# Altium PCB Steering_THD.PcbDoc
Units mm, origin at the board's own origin, x right, y up, seen from the top; angles counter-clockwise.
Board outline 106.54 x 71.85 mm, 2 copper layers (Top Layer, Bottom Layer); 35 components, 38 nets, 152 pads, 16 vias.
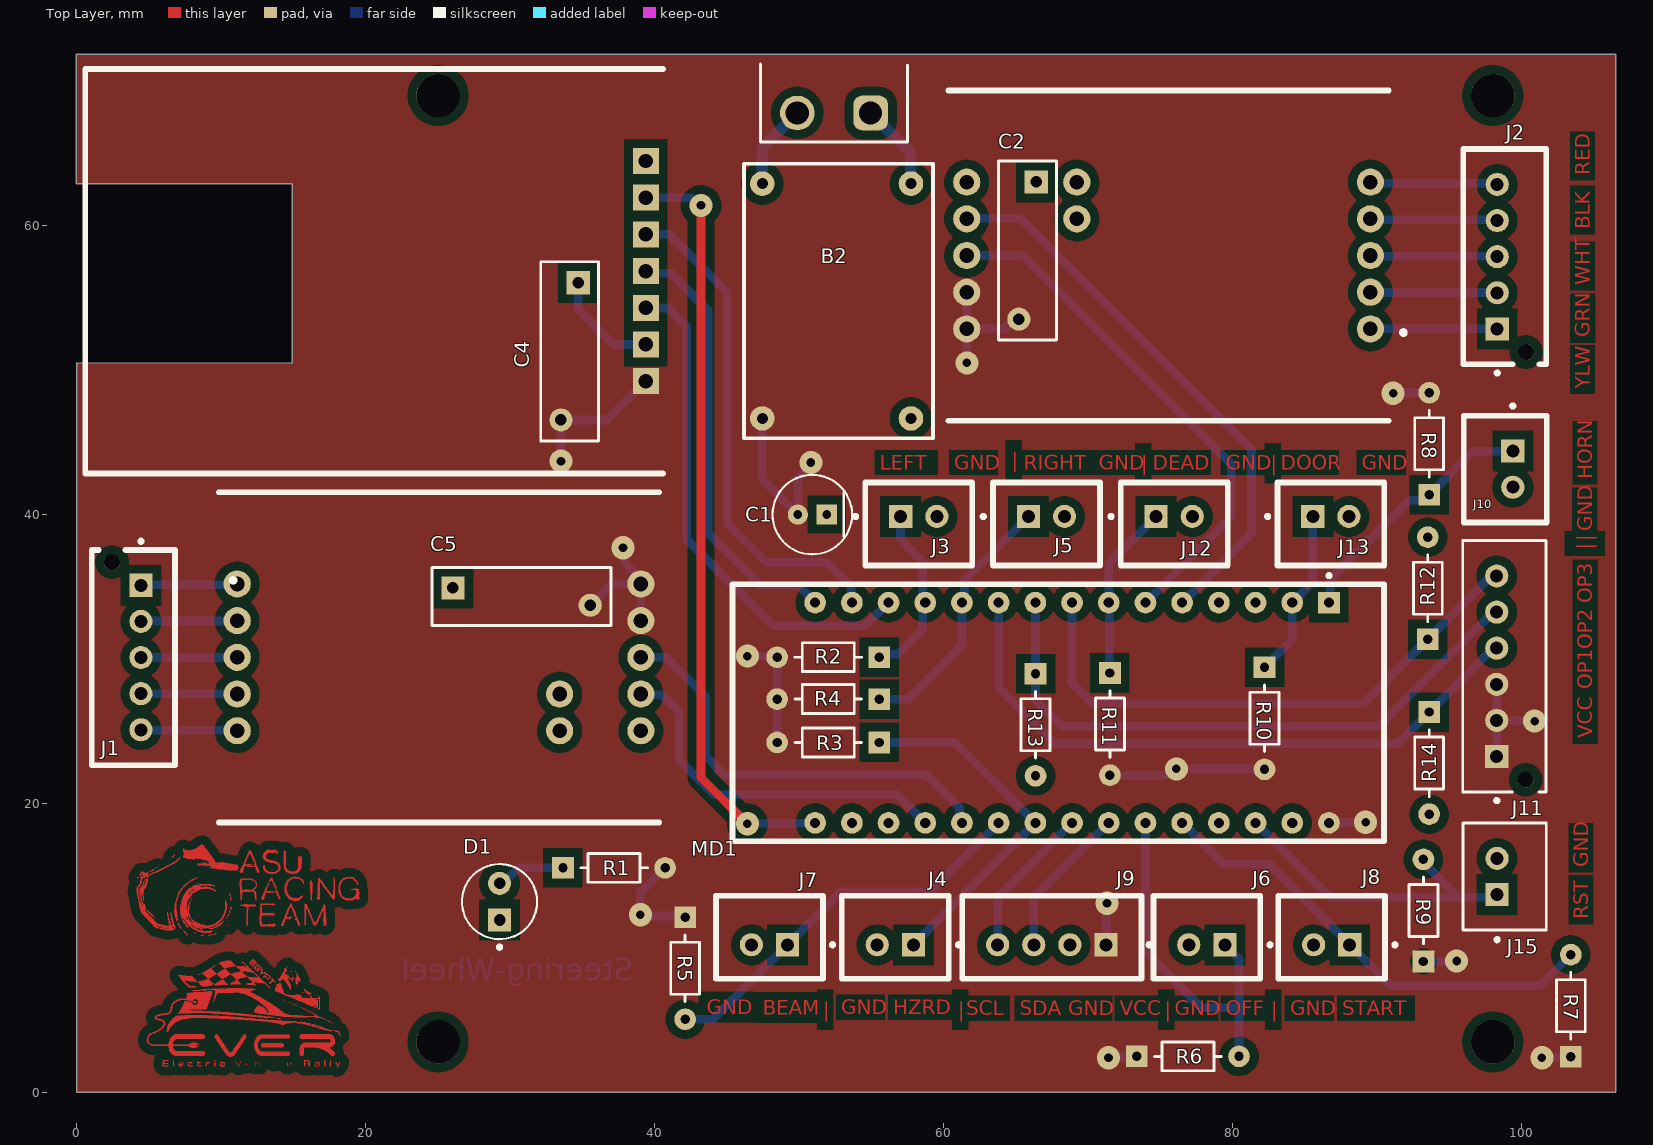
[diagram p0: Top Layer view]
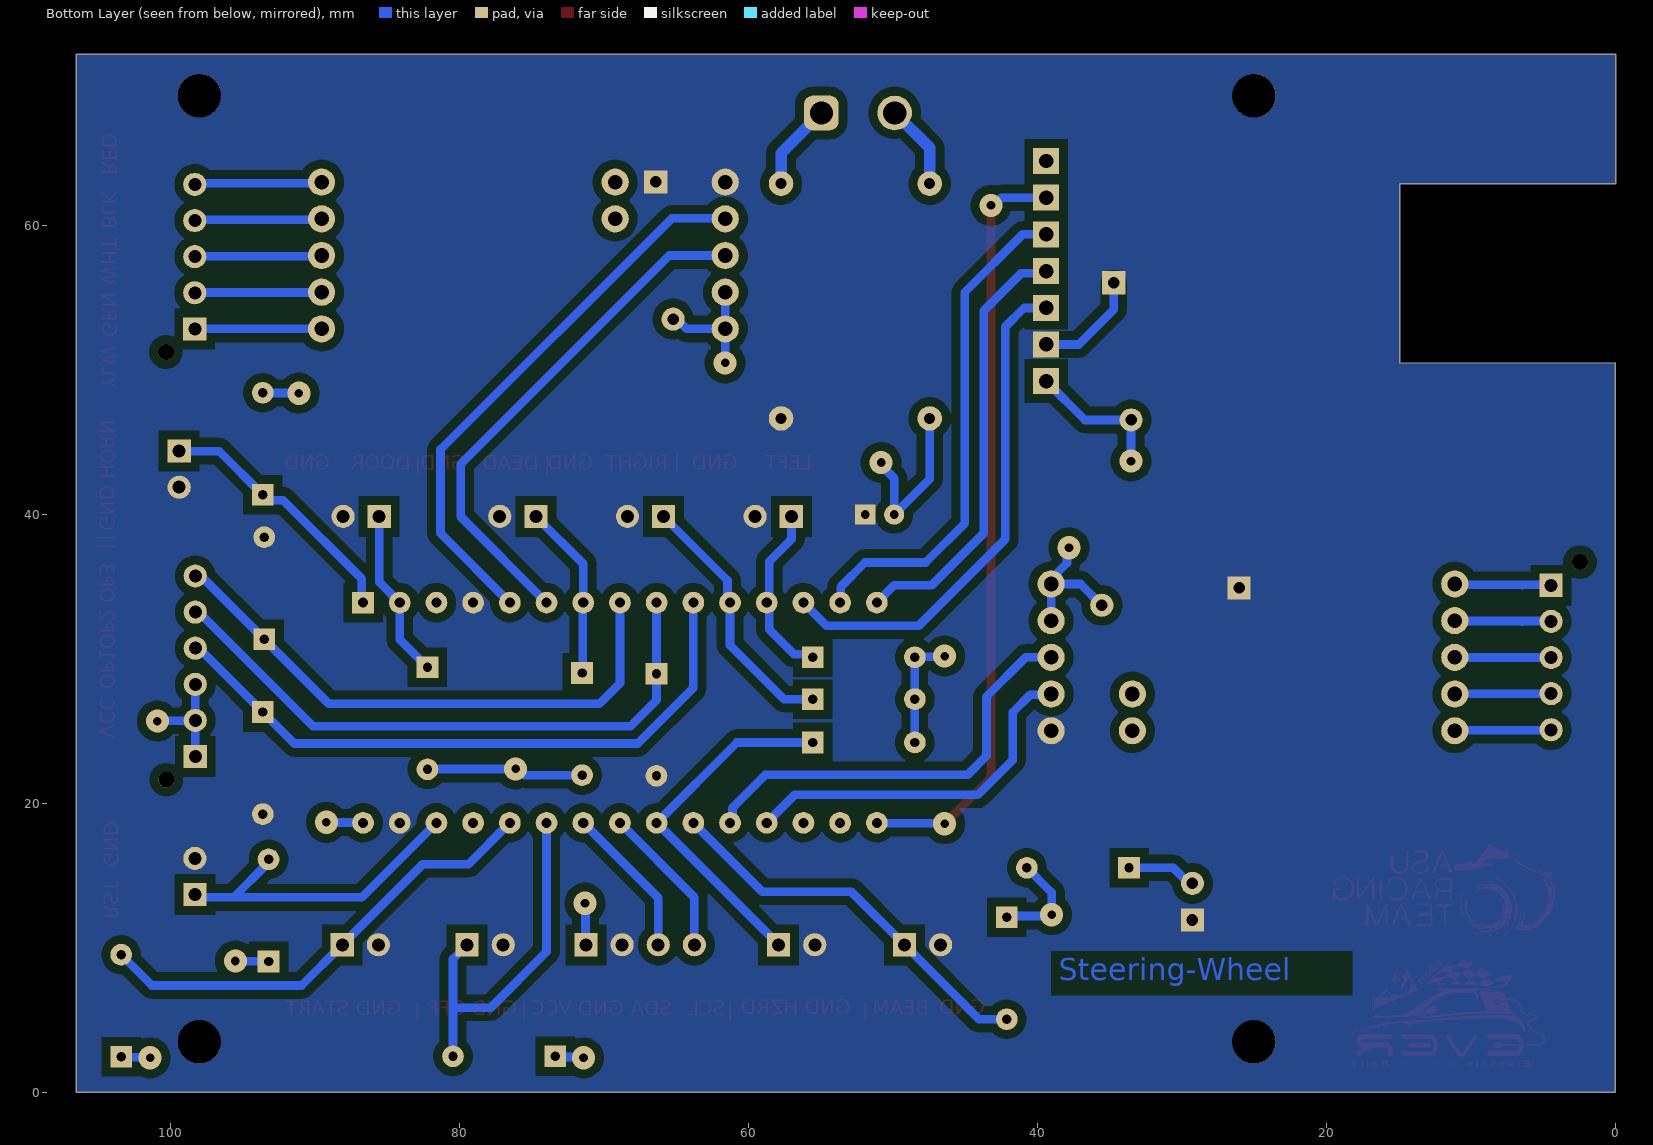
[diagram p1: Bottom Layer view, seen from below]
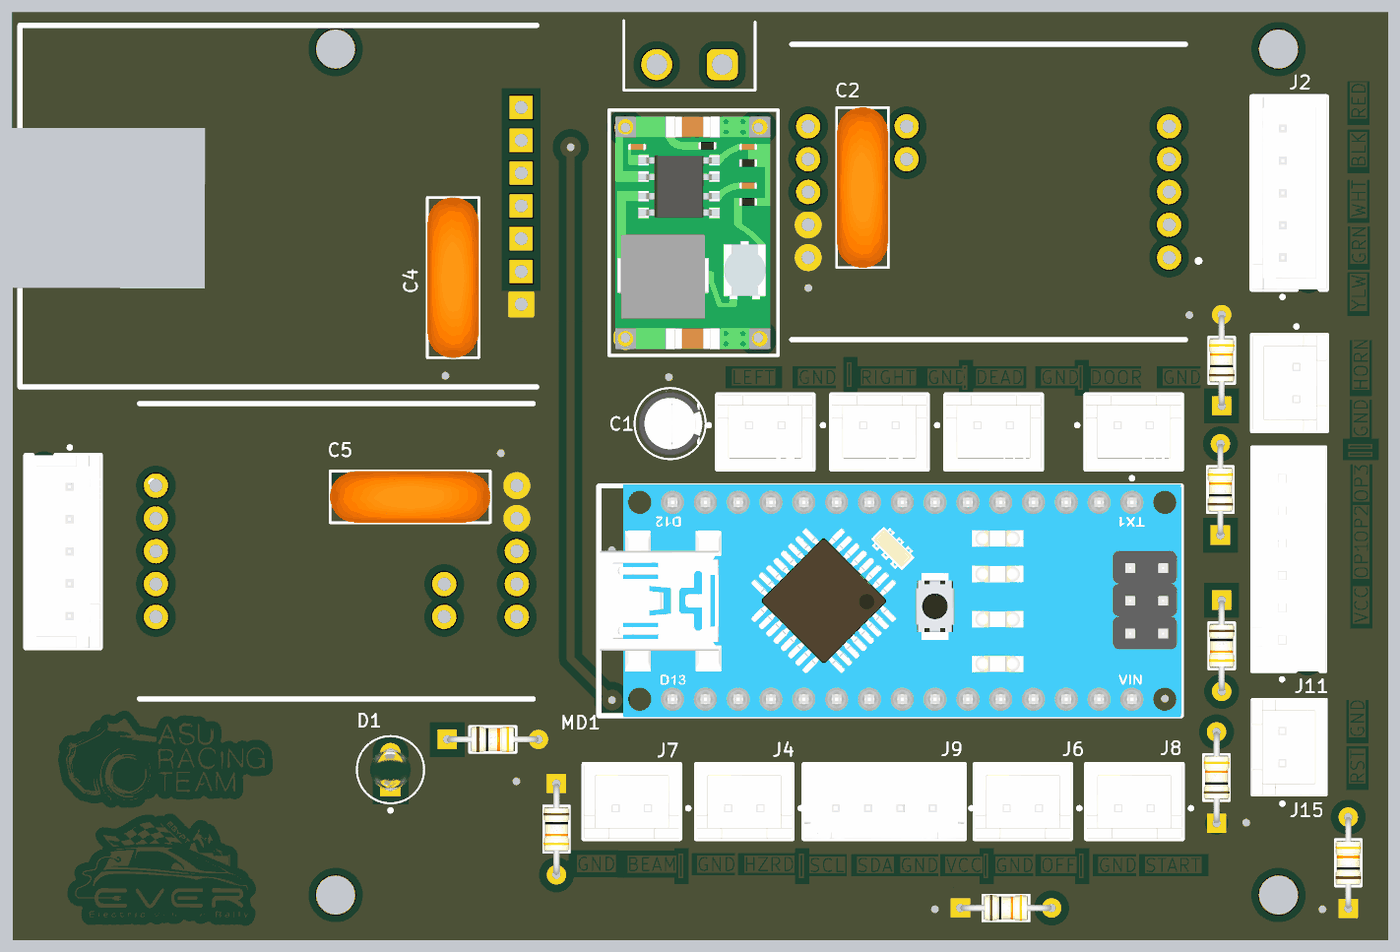
[diagram p2: 3D render of the assembled board from above, using the file's embedded part models]

## Layer stack, top to bottom
Top Solder: solder mask 0.0102, Solder Resist, Dk 3.5
Top Layer: signal copper 0.0356
Dielectric 1: dielectric 0.32, FR-4, Dk 4.8
Bottom Layer: signal copper 0.0356
Bottom Solder: solder mask 0.0102, Solder Resist, Dk 3.5

## Board outline
0,0 0,50.492 14.885,50.477 14.896,62.885 -0.038,62.885 -0.038,71.851 106.5,71.851 106.5,0

## Design rules (kind name [scope] priority, off if disabled: settings)
Clearance [All] p1: gap=0.6 ignorepadtopadclearanceinfootprint=FALSE except(0.06: SMDPad-Fill SMDPad-Poly SMDPad-Region; 0.254: Arc-Text Arc-Hole Track-Text Track-Hole SMDPad-Text SMDPad-Hole THPad-Text THPad-Hole Via-Text Via-Hole Fill-Text Fill-Hole Poly-Text Poly-Hole Region-Text Region-Hole Text-Text Text-Hole; 0.4: Arc-SMDPad Arc-THPad Arc-Via Track-SMDPad Track-THPad Track-Via)
HoleSize [All] p1: absolutevalues=TRUE maxlimit=8 minlimit=0.6 maxpercent=80.000 minpercent=20.000
HoleToHoleClearance [All] p1: gap=0.6 allowstackedmicrovias=TRUE
MinimumAnnularRing [All] p1: minimumring=0.3
PlaneClearance [All] p1: clearance=0.6
PlaneConnect [All] p1: planeconnectstyle=Direct reliefexpansion=0.508 reliefentries=4 reliefconductorwidth=0.254 reliefairgap=0.254
PolygonConnect [All] p1: connectstyle=Direct reliefconductorwidth=0.254 reliefentries=4 polygonreliefangle="90 Angle" airgapwidth=0.254
RoutingVias [All] p1: holewidth=0.711 width=1.27 viastyle="Through Hole" minholewidth=0.711 minwidth=1.27 maxholewidth=0.711 maxwidth=1.27
SolderMaskExpansion [All] p1: expansion=0.102 istentingtop=FALSE
Width [All] p1: maxlimit=2 minlimit=0.5 preferedwidth=0.6 minimp=50.000000 maximp=50.000000 favimp=50.000000
26 further rules are at their usual default settings.

## Classes and differential pairs
component class "Switches + Blocks": B2 C1 D1 J1 J2 J3 J4 J5 J6 J7 J8 J9 J10 J11 J12 J13 J15 R1 R2 R3 R4 R5 R6 R7 R8 R9 R10 R11 R12 R13 R14
component class Arduino: C2 C4 C5 MD1

## Components (designator, comment, footprint, x,y, rotation, side; value= is the part's Value field where it differs from the comment)
B2 "MINI360_BUCK_CONVERTER" MINI360_BUCK_CONVERTER 46.171,54.782 r270 top
C1 "22u" FP-RAD-TH-D_5_0_5-L_11_1-MFG 50.9,40 r180 top
C2 "100 nF" FP-562R5GAS10-MFG 65.8,58.275 r270 top
C4 "100 nF" FP-562R5GAS10-MFG 34.1,51.3 r270 top
C5 "100 nF" FP-562R5GAS10-MFG 30.775,34.325 r0 top
D1 "RED" FP-6_544-5255_01-4-MFG 29.25,13.205 r90 top
J1 "B5B-XH-AM(LF)(SN)" FP-B5B-XH-AM_LF_SN-MFG 3.901,30.104 r90 top
J2 "B5B-XH-AM(LF)(SN)" FP-B5B-XH-AM_LF_SN-MFG 98.834,57.852 r270 top
J3 "B2B-XH-A(LF)(SN)" FP-B2B-XH-A_LF_SN-MFG 58.268,39.347 r0 top
J4 "B2B-XH-A(LF)(SN)" FP-B2B-XH-A_LF_SN-MFG 56.642,10.746 r180 top
J5 "B2B-XH-A(LF)(SN)" FP-B2B-XH-A_LF_SN-MFG 67.109,39.347 r0 top
J6 "B2B-XH-A(LF)(SN)" FP-B2B-XH-A_LF_SN-MFG 78.207,10.746 r180 top
J7 "B2B-XH-A(LF)(SN)" FP-B2B-XH-A_LF_SN-MFG 47.93,10.746 r180 top
J8 "B2B-XH-A(LF)(SN)" FP-B2B-XH-A_LF_SN-MFG 86.849,10.746 r180 top
J9 "B4B-XH-A(LF)(SN)" FP-B4B-XH-A_LF_SN-MFG 67.477,10.746 r0 top
J10 "B2B-XH-A(LF)(SN)" FP-B2B-XH-A_LF_SN-MFG 98.861,43.143 r270 top
J11 "B6B-XH-AM(LF)(SN)" FP-B6B-XH-AM_LF_SN-MFG 98.8,29.5 r270 top
J12 "B2B-XH-A(LF)(SN)" FP-B2B-XH-A_LF_SN-MFG 75.95,39.347 r0 top
J13 "B2B-XH-A(LF)(SN)" FP-B2B-XH-A_LF_SN-MFG 86.791,39.347 r0 top
J15 "B2B-XH-A(LF)(SN)" FP-B2B-XH-A_LF_SN-MFG 98.825,14.95 r90 top
MD1 "Arduino Nano" FP-A000005-MFG 67.926,26.283 r270 top
R1 "10k" PCBComponent_1 37.175,15.55 r0 top
R2 "10k" PCBComponent_1 52,30.125 r180 top
R3 "10k" PCBComponent_1 52,24.225 r180 top
R4 "10k" PCBComponent_1 52,27.225 r180 top
R5 "10k" PCBComponent_1 42.1,8.6 r270 top
R6 "10k" PCBComponent_1 76.9,2.5 r0 top
R7 "10k" PCBComponent_1 103.4,6 r90 top
R8 "10k" PCBComponent_1 93.6,44.9 r90 top
R9 "10k" PCBComponent_1 93.2,12.6 r90 top
R10 "10k" PCBComponent_1 82.2,25.9 r270 top
R11 "10k" PCBComponent_1 71.5,25.5 r270 top
R12 "10k" PCBComponent_1 93.5,34.9 r90 top
R13 "10k" PCBComponent_1 66.35,25.45 r270 top
R14 "10k" PCBComponent_1 93.6,22.8 r270 top

## Footprints (in the part's own frame and the unit in brackets; to place one, negate y for a bottom-side part, rotate by r counter-clockwise, add the part's x,y. Pads: shape width x height; smd on the part's side, far side on the other; paste and mask are expansions set on the pad)
FP-6_544-5255_01-4-MFG [mm]
  rect 1.6x1.6 hole 0.8 paste-2539.97 mask+0: 1(-1.27,0)
  round 1.6 hole 0.8 paste-2539.97 mask+0: 2(1.27,0)
  silkscreen extent -3.27,-2.6 2.6,2.6, body extent -2.32,-2.32 2.32,2.32, height 0.25
FP-562R5GAS10-MFG [mm]
  rect 1.6x1.6 hole 0.8 paste-2539.97 mask+0: 1(-4.75,0.6)
  round 1.6 hole 0.8 paste-2539.97 mask+0: 2(4.75,-0.6)
  silkscreen extent -6.2,-2 6.2,2, body extent -6.3,-2.1 6.3,2.1, height 0.25
FP-A000005-MFG [mm]
  rect 1.5x1.5 hole 0.7 paste-2539.97 mask+0: 1(-7.62,18.732)
  round 1.5 hole 0.7 paste-2539.97 mask+0: 2(-7.62,16.192) 3(-7.62,13.652) 4(-7.62,11.112) 5(-7.62,8.572) 6(-7.62,6.032) 7(-7.62,3.492) 8(-7.62,0.952) 9(-7.62,-1.588) 10(-7.62,-4.128) 11(-7.62,-6.668) 12(-7.62,-9.208) 13(-7.62,-11.748) 14(-7.62,-14.287) 15(-7.62,-16.828) 16(7.62,-16.828) 17(7.62,-14.287) 18(7.62,-11.747) 19(7.62,-9.207) 20(7.62,-6.667) 21(7.62,-4.127) 22(7.62,-1.587) 23(7.62,0.953) 24(7.62,3.493) 25(7.62,6.033) 26(7.62,8.573) 27(7.62,11.113) 28(7.62,13.652) 29(7.62,16.192) 30(7.62,18.732)
  silkscreen extent -9.61,-22.54 8.89,22.54, body extent -8.99,-22.64 8.99,22.64, height 0.25
FP-B2B-XH-A_LF_SN-MFG [mm]
  rect 1.6x1.6 hole 0.9 paste-2539.97 mask+0: 1(-1.25,0.525)
  round 1.6 hole 0.9 paste-2539.97 mask+0: 2(1.25,0.525)
  silkscreen extent -4.5,-2.88 3.7,2.88, body extent -3.8,-2.98 3.8,2.98, height 0.25
FP-B4B-XH-A_LF_SN-MFG [mm]
  rect 1.6x1.6 hole 0.9 paste-2539.97 mask+0: 1(3.75,-0.525)
  round 1.6 hole 0.9 paste-2539.97 mask+0: 2(1.25,-0.525) 3(-1.25,-0.525) 4(-3.75,-0.525)
  silkscreen extent -6.2,-2.88 6.88,2.88, body extent -6.3,-2.98 6.3,2.98, height 0.25
FP-B5B-XH-AM_LF_SN-MFG [mm]
  rect 1.6x1.6 hole 0.9 paste-2539.97 mask+0: 1(5,-0.525)
  round 1.6 hole 0.9 paste-2539.97 mask+0: 2(2.5,-0.525) 3(0,-0.525) 4(-2.5,-0.525) 5(-5,-0.525)
  round 1.1 hole 1.1 unplated paste-2539.97 mask+0: ""(6.6,1.475)
  silkscreen extent -7.45,-2.88 8.17,2.88, body extent -7.55,-2.98 7.55,2.98, height 0.25
FP-B6B-XH-AM_LF_SN-MFG [mm]
  rect 1.6x1.6 hole 0.9 paste-2539.97 mask+0: 1(6.25,-0.525)
  round 1.6 hole 0.9 paste-2539.97 mask+0: 2(3.75,-0.525) 3(1.25,-0.525) 4(-1.25,-0.525) 5(-3.75,-0.525) 6(-6.25,-0.525)
  round 1.1 hole 1.1 unplated paste-2539.97 mask+0: ""(7.85,1.475)
  silkscreen extent -8.7,-2.88 9.42,2.88, body extent -8.8,-2.98 8.8,2.98, height 0.25
FP-RAD-TH-D_5_0_5-L_11_1-MFG [mm]
  rect 1.4x1.4 hole 0.6 paste-2539.97 mask+0: 1(-1,0)
  round 1.4 hole 0.6 paste-2539.97 mask+0: 2(1,0)
  silkscreen extent -2.75,-2.75 2.75,2.75, body extent -2.85,-2.85 2.85,2.85, height 0.25
MINI360_BUCK_CONVERTER [mil]
  round 66.93 hole 30: 1(-320,50) 2(-320,455) 3(320,50) 4(320,455)
  silkscreen extent -374,0 374,515, body extent -354,19 355,491, height 108
PCBComponent_1 [mm]
  rect 1.5x1.5 hole 0.65 paste-2539.97 mask+0: 1(-3.534,0)
  round 1.5 hole 0.65 paste-2539.97 mask+0: 2(3.534,0)
  silkscreen extent -2.3,-1 2.3,1, body extent -3.96,-1.1 3.96,1.1, height 0.25

## Part data
C1: library part CMP-05427-001989-1, "Aluminum Electrolytic Capacitors (Radial Lead Type) AEC-Q200 Qualified 22uF ±20% 50V", Capacitance=22uF, Case/Package=Radial, ESR (Equivalent Series Resistance)=1.3R, Leakage Current=3uA, Max Operating Temperature=105°C, Min Operating Temperature=-55°C, Package Quantity=2000, Ripple Current=155mA, Tolerance=20%, Voltage Rating=50V, Contact Plating=Tin, Diameter=5mm, Features="General Purpose", Height=11mm, Height - Seated (Max)=0.472inch, Impedance=1.3R, Lead Diameter=0.5mm, Lead Pitch=0.197inch, Length=11mm, Life (Hours)=1000Hour, Mount="Through Hole", Packaging="Tape and Reel", Polarity=Polar, Radiation Hardening=No, RoHS Compliant=Yes, Series=FC, Termination=Radial, Voltage Rating (DC)=50V
C2 C4 C5: library part CMP-02417-000061-1, "CAP CER 10000PF 1KV Z5U RADIAL", Capacitance=10nF, Case/Package=Radial, Dielectric=Z5U, Max Operating Temperature=105°C, Min Operating Temperature=-55°C, Package Quantity=250, Resistor Type=Ceramic, Tolerance=20%, Voltage=1kV, Application(s)="GENERAL PURPOSE", Construction=RADIAL, Contact Plating=Tin, Depth=4mm, Diameter=12.4mm, Dissipation Factor=2.5%, Height=0.25inch, Height - Seated (Max)=0.613inch, Lead Diameter=0.64mm, Lead Free="Lead Free", Lead Length=29mm, Lead Pitch=9.5mm, Lead/Base Style=Straight, Length=2inch, Mount="Through Hole", Packaging=Bulk, Radiation Hardening=No, RoHS Compliant=Yes, Series="Cera-Mite 562R", Termination=Radial, Voltage Rating=1kV, Voltage Rating (DC)=1kV, Weight=0.01lb, Width=4mm
D1: library part CMP-00030-55433990-1, "TLLG4400 Led, Pcb, Green, 0.63MCD, 3MM, T-1, 7MA, 1.9V, 565NM, 25DEG, 20V, 20MW, -40", Case/Package=T, Color=Green, Forward Current=2mA, Forward Voltage=1.9V, Max Operating Temperature=100°C, Max Power Dissipation=20mW, Min Operating Temperature=-40°C, Reverse Voltage=20V, Voltage Rating (DC)=2.4V, Depth=3.2mm, Dominant Wavelength=575nm, Height=4.5mm, Illumination Color=Green, Length=3.2mm, Lens Color=Green, Lens Size=3mm, Lens Style="Circular, Colored, Diffused, Dome, Round", Lens Transparency=Diffused, Luminous Intensity=1.2mcd, Mount="Through Hole", NexarPartId=55433990, Number of Elements=1, Number of LEDs=1, Number of Pins=2, Power Dissipation=20mW, Radiation Hardening=No, REACH SVHC=Unknown, RoHS=Compliant, Schedule B="8541402000, 8541402000", Test Current=2mA, Viewing Angle=50°, Wavelength=575nm
J1 J2: library part CMP-17439-000304-1, "CONN HEADER VERT 5POS 2.5MM", Color=Green, Contact Resistance=20mR, Flammability Rating="UL94 V-0", Housing Color=White, Insulation Color=Natural, Max Current Rating=3A, Max Operating Temperature=85°C, Max Voltage Rating (AC)=250V, Min Operating Temperature=-25°C, Connector Type=Header, Contact Finish - Mating=TIN, Contact Material=Brass, Contact Plating=Copper, Contact Shape=Square, Contact Type="Male Pin", Depth=5.75mm, Fastening Type=Detent, Housing Material=Polyamide, Insulation Material=Nylon, Lead Free="Lead Free", Length=14.9mm, Mated Stacking Heights=9.8mm, Mount="Through Hole", Number of Positions=5, Number of Rows=1, Orientation=Straight, Packaging=Bulk, Pitch=2.5mm, Series=XH, Termination=Solder, Voltage Rating=250V
J3 J4 J5 J6 J7 J8 J10 J12 J13 J15: library part CMP-2000-05888-3, "CONN HEADER VERT 2POS 2.5MM", Color=Natural, Contact Resistance=20mR, Current Rating=3A, Housing Color=White, Insulation Resistance=1GR, Max Operating Temperature=85°C, Max Voltage Rating (AC)=250V, Min Operating Temperature=-25°C, Connector Type="Male Pin", Contact Material=Brass, Contact Plating=Tin, Contact Type="Male Pin", Depth=5.75mm, Fastening Type=Detent, Housing Material=Polyamide, Lead Free="Lead Free", Lead Pitch=2.5mm, Length=7.4mm, Max Current Rating=3A, Max Voltage Rating (DC)=250V, Mount="Through Hole", Number of Contacts=2, Number of Positions=2, Number of Rows=1, Orientation=Straight, Packaging=Bulk, Pitch=2.5mm, REACH SVHC="No SVHC", Series=XH, Termination=Solder, Voltage Rating=250V, Voltage Rating (AC)=250V, Wire/Cable Gauge=22AWG
J9: library part CMP-17439-000250-1, "CONN HEADER VERT 4POS 2.5MM", Color=Natural, Contact Resistance=20mR, Current Rating=3A, Flammability Rating="UL94 V-0", Housing Color=White, Insulation Resistance=1GR, Max Operating Temperature=85°C, Max Voltage Rating (AC)=250V, Min Operating Temperature=-25°C, Package Quantity=500, Connector Type=Header, Contact Finish - Mating=TIN, Contact Material=Brass, Contact Plating=Tin, Contact Shape=Square, Contact Type="Male Pin", Depth=5.75mm, Fastening Type=Detent, Gender=Male, Housing Material=Polyamide, Insulation Color=Natural, Insulation Material=Nylon, Lead Free="Lead Free", Lead Pitch=2.5mm, Length=12.4mm, Mated Stacking Heights=9.8mm, Material=Polyamide, Max Current Rating=3A, Max Voltage Rating (DC)=250V, Mount="Through Hole", Number of Contacts=4, Number of Positions=4, Number of Rows=1, Orientation=Straight, Packaging=Bulk, Pitch=2.5mm, REACH SVHC="No SVHC", Series=XH, Termination=Solder, Voltage Rating=250V, Voltage Rating (AC)=250V, Wire/Cable Gauge=22AWG
J11: library part CMP-17439-000167-1, "CONN HEADER VERT 6POS 2.5MM", Current Rating=3A, Flammability Rating="UL94 V-0", Insulation Color=Natural, Max Operating Temperature=85°C, Min Operating Temperature=-25°C, Voltage Rating=250V, Connector Type=Header, Contact Finish - Mating=TIN, Contact Material=Brass, Contact Plating=Copper, Contact Shape=Square, Contact Type="Male Pin", Fastening Type=Detent, Height=7mm, Insulation Material=Nylon, Length=17.4mm, Mated Stacking Heights=9.8mm, Mount="Through Hole", Number of Pins=6, Number of Poles=6, Number of Positions=6, Number of Rows=1, Packaging=Bulk, Pitch=2.5mm, Series=XH, Shape=Straight, Termination=Press-Fit, Width=5.75mm
MD1: library part CMP-189986-000002-1, "ARDUINO NANO ATMEGA328 EVAL BRD", Operating Supply Voltage=12V, Package Quantity=50, Core Architecture=AVR, Data Bus Width=8b, Evaluation Kit=Yes, Height=0.25inch, Interface=I2C, Length=7inch, Number of Bits=8, Packaging=Bulk, REACH SVHC="No SVHC", Series="AVR® ATmega", Weight=0.358383oz, Width=5inch
R1 R2 R3 R4 R5 R6 R7 R8 R9 R10 R11 R12 R13 R14: library part RES

## Free pads (board coordinates)
  round 1.88 hole 1.016: 1(11.09,35.199) 1(89.529,52.852) 2(11.09,32.659) 2(89.529,55.392) 3(11.09,30.119) 3(89.529,57.932) 4(11.09,27.579) 4(89.529,60.472) 5(11.09,25.039) 5(89.529,63.012) 6(39.03,25.039) 6(61.589,63.012) 7(39.03,27.579) 7(61.589,60.472) 8(39.03,30.119) 8(61.589,57.932) 9(39.03,32.659) 9(61.589,55.392) 10(39.03,35.199) 10(61.589,52.852) 11(33.41,27.579) 11(69.209,60.472) 12(33.41,25.039) 12(69.209,63.012)
  rrect50% 2.4x2.4 hole 1.6: 1(54.94,67.8)
  round 2.4 hole 1.6: 2(49.86,67.8)
  rect 1.8x1.8 hole 1: 5(39.37,49.235) 6(39.37,51.775) 7(39.37,54.315) 8(39.37,56.855) 9(39.37,59.395) 10(39.37,61.935) 11(39.37,64.475)
  round 3 hole 3: 13(25,3.5) 13(25,69) 13(98,3.5) 13(98,69)

## Via types
v1: diameter 1.6, hole 0.6, Top Layer to Bottom Layer, 16 vias

## Nets (pads, with @x,y where several pads share a name; then routed paths per layer and width w, separated by ;. In a path a pad name is that pad's centre, name@x,y a point inside that pad or via, vN(x,y) a via of type N, cw(c..) or ccw(c..) an arc to the next point about the centre after c; other vN are vias at no path point)
+12: B2.1 pad.2@49.86,67.8 | length 5.9
  Bottom Layer w0.8: B2.1 47.441,65.381 pad.2@49.86,67.8
A0/CLK_L: MD1.19 pad.7@39.03,27.579 | length 25.3
  Bottom Layer w0.6: pad.7@39.03,27.579 39.086,27.523 40.477,27.523 41.7,26.3 41.7,23 44.1,20.6 56.782,20.6 MD1.19
A1/DATA_L: MD1.20 pad.8@39.03,30.119 | length 29.9
  Bottom Layer w0.6: pad.8@39.03,30.119 40.781,30.119 43.5,27.4 43.5,23.3 44.8,22 58.8,22 61.086,19.714 61.086,18.835 MD1.20
A2/HIGH_BEAM: J7.1 MD1.21 R5.2 | length 27.6
  Bottom Layer w0.6: R5.2@42.084,5.05 R5.2 44.025,5.066 J7.1 52.859,13.9 59.035,13.9 MD1.21 MD1.21@63.555,18.663
A3/HAZARD: J4.1 MD1.22 R3.1 | length 25.1
  Bottom Layer w0.6: R3.1 60.777,24.225 MD1.22 66.335,18.663 J4.1
A4/SDA: J9.4 MD1.23 | length 10.6
  Bottom Layer w0.6: J9.4 63.727,13.512 MD1.23
A5/SCL: J9.3 MD1.24 | length 10.6
  Bottom Layer w0.6: J9.3 66.227,13.472 MD1.24
A6/EDF: J6.1 MD1.25 R6.2 | length 25.8
  Bottom Layer w0.6: MD1.25 73.958,9.742 77.828,5.872 80.434,5.872 ; J6.1@78.957,10.721 80.434,9.244 80.434,5.872 ; R6.2 80.434,5.872
A7/START: J8.1 MD1.26 R7.2 | length 32.6
  Bottom Layer w0.6: MD1.26 79.362,15.8 82.52,15.8 J8.1 90.92,7.4 101.266,7.4 R7.2@103.524,9.658
BLK_L: J1.2 pad.2@11.09,32.659 | length 6.6
  Bottom Layer w0.6: J1.2@4.454,32.631 pad.2@11.063,32.631 ; 6.426,32.604 6.454,32.631
BLK_R: J2.2 pad.2@89.529,55.392 | length 8.8
  Bottom Layer w0.6: pad.2@89.529,55.392 89.549,55.372 98.289,55.372 J2.2
D0/DOOR: J13.1 MD1.2 R10.1 | length 11.8
  Bottom Layer w0.6: R10.1 84.118,31.352 MD1.2 85.541,35.326 J13.1
D1/HORN: J10.1 MD1.1 R8.1 | length 18
  Bottom Layer w0.6: MD1.1 86.753,33.998 86.753,35.553 92.2,41 93.234,41 R8.1 96.627,44.393 J10.1
D2/DATA_R: MD1.5 pad.7@61.589,60.472 | length 38.9
  Bottom Layer w0.6: pad.7@61.589,60.472 61.617,60.5 65.3,60.5 81.3,44.5 81.3,38.705 MD1.5
D3/CLK_R: MD1.6 pad.8@61.589,57.932 | length 36.3
  Bottom Layer w0.6: pad.8@61.589,57.932 65.468,57.932 73.128,50.272 79.9,43.5 79.9,39.845 MD1.6
D4/DEAD: J12.1 MD1.7 R11.1 | length 12.3
  Top Layer w0.6: R11.1@71.459,29.075 R11.1
  Bottom Layer w0.6: R11.1 71.459,29.075 71.459,33.862 MD1.7 71.418,36.591 J12.1
D5/OPT3: J11.6 MD1.8 R12.1 | length 39.3
  Bottom Layer w0.6: MD1.8@68.913,33.868 MD1.8 68.878,28.322 70.3,26.9 89.034,26.9 R12.1 97.693,35.559 98.084,35.559 J11.6
D6/OPT2: J11.5 MD1.9 R13.1 | length 42.9
  Bottom Layer w0.6: MD1.9 66.344,33.897 66.344,28.99 R13.1 66.35,27.15 68.15,25.35 90.126,25.35 98.026,33.25 J11.5 J11.5@98.125,33.1
D7/OPT1: J11.4 MD1.10 R14.1 | length 44.7
  Bottom Layer w0.6: MD1.10 63.8,33.901 63.8,28.003 67.653,24.15 91.416,24.15 R14.1 98.016,30.75 J11.4
D8/RIGHT: J5.1 MD1.11 R4.1 | length 18.1
  Bottom Layer w0.6: R4.1 57.525,27.225 61.258,30.958 MD1.11 61.431,34.075 61.431,35.444 J5.1
D9/LEFT: J3.1 MD1.12 R2.1 | length 12.4
  Bottom Layer w0.6: R2.1 55.742,30.333 56.833,30.333 58.546,32.046 58.546,33.731 MD1.12 58.547,34.075 58.547,36.753 57,38.3 57,39.855 J3.1
D10/CS: MD1.13 pad.7@39.37,54.315 | length 35.2
  Bottom Layer w0.6: pad.7@39.37,54.315 39.385,54.3 40.903,54.3 42.2,53.003 42.2,38.3 48.2,32.3 54.575,32.3 MD1.13
D11/SI: MD1.14 pad.9@39.37,59.395 | length 34.8
  Bottom Layer w0.6: pad.9@39.37,59.395 41.005,59.395 45,55.4 45,39.4 47.723,36.677 51.923,36.677 53.601,34.999 53.601,33.941 MD1.14
D12/SO: MD1.15 pad.8@39.37,56.855 | length 30.3
  Bottom Layer w0.6: pad.8@39.37,56.855 39.525,56.7 41.1,56.7 43.7,54.1 43.7,38.7 47.3,35.1 49.902,35.1 MD1.15
D13/SCK: MD1.16 pad.10@39.37,61.935 | length 52.9
  Top Layer w0.6: v1(43.2,61.4) 43.2,21.8 v1(46.4,18.6)
  Bottom Layer w0.6: pad.10@39.37,61.935 42.484,61.935 43.019,61.4 v1(43.2,61.4) ; v1(46.4,18.6) 46.432,18.632 51.067,18.632 MD1.16
GND: B2.4 C1.1 C2.1 C4.1 C5.1 D1.1 J3.2 J4.2 J5.2 J6.2 J7.2 J8.2 J9.2 J10.2 J12.2 J13.2 J15.2 MD1.4 MD1.29 pad.6 pad.13 R12.2 R13.2 R14.2 | length 7.5
  Bottom Layer w0.6: C4.1 34.7,54.2 37.125,51.775 pad.6@39.37,51.775
GND_12V: B2.2 pad.1@54.94,67.8 | length 6
  Bottom Layer w0.8: pad.1@54.94,67.8 57.728,65.012 B2.2
GRN_L: J1.4 pad.4@11.09,27.579 | length 6.7
  Bottom Layer w0.6: J1.4@4.439,27.591 pad.4@11.078,27.591 ; 6.426,27.604 6.439,27.591
GRN_R: J2.4 pad.4@89.529,60.472 | length 8.8
  Bottom Layer w0.6: pad.4@89.529,60.472 89.589,60.412 98.249,60.412 J2.4
NetD1_2: D1.2 R1.1 | length 4.8
  Top Layer w0.6: D1.2 D1.2@29.504,14.475
  Bottom Layer w0.6: D1.2@29.504,14.475 30.579,15.55 R1.1
RED_L: J1.1 pad.1@11.09,35.199 | length 6.6
  Bottom Layer w0.6: J1.1@4.474,35.151 pad.1@11.043,35.151 ; 6.426,35.104 6.474,35.151
RED_R: J2.1 pad.1@89.529,52.852 | length 8.8
  Bottom Layer w0.6: pad.1@89.529,52.852 J2.1
RST: J15.1 MD1.28 R9.2 | length 22.7
  Bottom Layer w0.6: MD1.28 86.742,13.5 95.634,13.5 ; R9.2@93.3,16.334 93.3,15.834 95.634,13.5 ; J15.1 98.1,13.5 95.634,13.5
VCC: B2.3 C1.2 C2.2 C4.2 C5.2 J9.1 J11.1 J11.2 J11.3 MD1.30 pad.5@39.37,49.235 pad.9@39.03,32.659 pad.9@61.589,55.392 pad.10@39.03,35.199 pad.10@61.589,52.852 R1.2 R2.2 R3.2 R4.2 R5.1 R6.1 R7.1 R8.2 R9.1 R10.2 R11.2 | length 87.9
  Top Layer w0.6: R9.1 R9.1@93.217,9.083
  Bottom Layer w0.6: v1(33.5,43.7) C4.2 36.685,46.55 pad.5@39.37,49.235 ; C5.2 36.999,35.199 pad.10@39.03,35.199 ; v1(37.8,37.7) 37.928,37.572 37.928,36.647 39.03,35.545 pad.10@39.03,35.199 ; pad.9@39.03,32.659 pad.10@39.03,35.199 ; R1.2 39,13.841 v1(39,12.3) 39.083,12.217 42.017,12.217 R5.1 ; v1(46.4,30.2) 46.438,30.162 48.429,30.162 R2.2 R4.2 R3.2 ; B2.3 47.441,42.459 C1.2 49.9,42.519 50.8,43.419 v1(50.8,43.6) ; pad.9@61.589,55.392 pad.10@61.589,52.852 ; v1(61.6,50.5) 61.594,50.506 61.594,52.846 pad.10@61.589,52.852 ; C2.2 64.929,53.525 64.256,52.852 pad.10@61.589,52.852 ; J9.1 71.264,10.257 71.264,13.064 v1(71.3,13.1) ; v1(71.4,2.4) 71.45,2.45 73.316,2.45 R6.1 ; R11.2 75.485,21.966 75.919,22.4 v1(76.1,22.4) 76.117,22.383 82.183,22.383 R10.2 ; MD1.30 86.677,18.682 89.182,18.682 v1(89.2,18.7) ; v1(91.1,48.4) 91.117,48.417 93.583,48.417 R8.2 ; R9.1@93.217,9.083 95.483,9.083 v1(95.5,9.1) ; J11.1 J11.2 ; J11.3 J11.2 ; v1(100.9,25.7) 100.875,25.725 98.3,25.725 J11.2 ; v1(101.4,2.4) 101.433,2.433 103.367,2.433 R7.1
WHT_L: J1.3 pad.3@11.09,30.119 | length 6.7
  Bottom Layer w0.6: J1.3@4.434,30.111 pad.3@11.083,30.111 ; 6.426,30.104 6.434,30.111
WHT_R: J2.3 pad.3@89.529,57.932 | length 8.8
  Bottom Layer w0.6: pad.3@89.529,57.932 89.569,57.892 98.269,57.892 J2.3
YLW_L: J1.5 pad.5@11.09,25.039 | length 6.7
  Bottom Layer w0.6: J1.5 4.459,25.071 11.058,25.071 pad.5@11.09,25.039
YLW_R: J2.5 pad.5@89.529,63.012 | length 8.8
  Bottom Layer w0.6: pad.5@89.529,63.012 89.609,62.932 98.229,62.932 J2.5
pads on no net: J1. J2. J11. MD1.3 MD1.17 MD1.18 MD1.27

## Polygon pours and split planes (outlines as drawn)
GND on Bottom Layer "GND_L02_P001" (solid, remove dead copper, pour order 1): -0.038,62.885 -0.038,71.851 106.5,71.851 106.5,0 0,0 0,50.495 14.885,50.479 14.896,62.885
VCC on Top Layer "VCC_L01_P002" (solid, remove dead copper, pour order 2): 0,62.885 0,71.851 106.5,71.851 106.5,0 0,0 0,50.495 14.885,50.479 14.896,62.885

## Other copper
Top Layer:
  drawing of 136 lines, arcs and shapes, not listed
  text "RED" at 104.7,63.483 h1 r90
  text "BLK" at 104.7,59.743 h1 r90
  text "WHT" at 104.7,55.88 h1 r90
  text "GRN" at 104.724,52.263 h1 r90
  text "YLW" at 104.7,48.7 h1 r90
  text "LEFT" at 55.563,43.1 h1
  text "GND" at 60.72,43.1 h1
  text "RIGHT" at 65.52,43.1 h1
  text "GND" at 70.727,43.1 h1
  text "DEAD" at 74.461,43.1 h1
  text "GND" at 79.516,43.1 h1
  text "DOOR" at 83.326,43.1 h1
  text "GND" at 88.941,43.1 h1
  text "__" at 64.682,42.937 h1 r90
  text "__" at 73.629,42.716 h1 r90
  text "__" at 82.596,42.716 h1 r90
  text "HORN" at 104.872,42.455 h1 r90
  text "GND" at 104.87,38.848 h1 r90
  text "__" at 105.2,38.133 h1 r180
  text "__" at 105.2,37.533 h1 r180
  text "OP3" at 104.902,33.85 h1 r90
  text "OP2" at 104.9,30.675 h1 r90
  text "OP1" at 104.9,27.9 h1 r90
  text "VCC" at 104.9,24.5 h1 r90
  text "GND" at 104.6,15.6 h1 r90
  text "RST" at 104.6,12 h1 r90
  text "GND" at 43.599,5.427 h1
  text "BEAM" at 47.476,5.395 h1
  text "GND" at 52.9,5.4 h1
  text "HZRD" at 56.5,5.4 h1
  text "SCL" at 61.563,5.327 h1
  text "SDA" at 65.271,5.327 h1
  text "GND" at 68.624,5.327 h1
  text "VCC" at 72.18,5.327 h1
  text "GND" at 75.99,5.327 h1
  text "OFF" at 79.521,5.327 h1
  text "GND" at 83.966,5.327 h1
  text "START" at 87.572,5.327 h1
  text "__" at 51.633,4.9 h1 r90
  text "__" at 60.971,4.895 h1 r90
  text "__" at 75.246,4.895 h1 r90
  text "__" at 82.637,4.895 h1 r90
Bottom Layer:
  text "Steering-Wheel" at 38.5,7.75 h1.52

## Silkscreen, mask and mechanical layers (free items; w line width, h text height)
Top Overlay:
  circle w0.3: c10.804,35.453 r0.15
  circle w0.3: c91.815,52.598 r0.15
  lines w0.2: 47.32,71.2 47.32,65.8 57.48,65.8 57.48,71.1
  lines w0.4: 9.82,18.689 40.3,18.689 ; 9.82,41.549 40.3,41.549 ; 40.57,42.835 0.57,42.835 0.57,70.835 40.57,70.835 ; 60.319,46.502 90.799,46.502 ; 60.319,69.362 90.799,69.362
Mechanical 1:
  the board outline again, w0.4
Top Component Outline:
  lines w0.1: 47.32,65.8 47.32,77.8 57.48,77.8 57.48,65.8 47.32,65.8
Top 3D Body:
  lines w0.1: 47.32,65.8 57.48,65.8 57.48,77.8 47.32,77.8 47.32,65.8
  lines w0.4: 9.82,18.689 40.3,18.689 40.3,41.549 9.82,41.549 9.82,18.689 ; 60.319,46.502 60.319,69.362 90.799,69.362 90.799,46.502 60.319,46.502
Top Courtyard:
  lines w0.4: 9.57,18.439 40.57,18.439 40.57,41.789 9.57,41.789 9.57,18.439 ; 60.049,46.262 60.049,69.612 91.049,69.612 91.049,46.262 60.049,46.262
Top Component Center:
  lines w0.05: 51.9,71.8 52.9,71.8 ; 52.4,71.3 52.4,72.3